# Altium PCB mantarray_beta2_sensor_arrayed.PcbDoc (part 1 of 14) (continued)
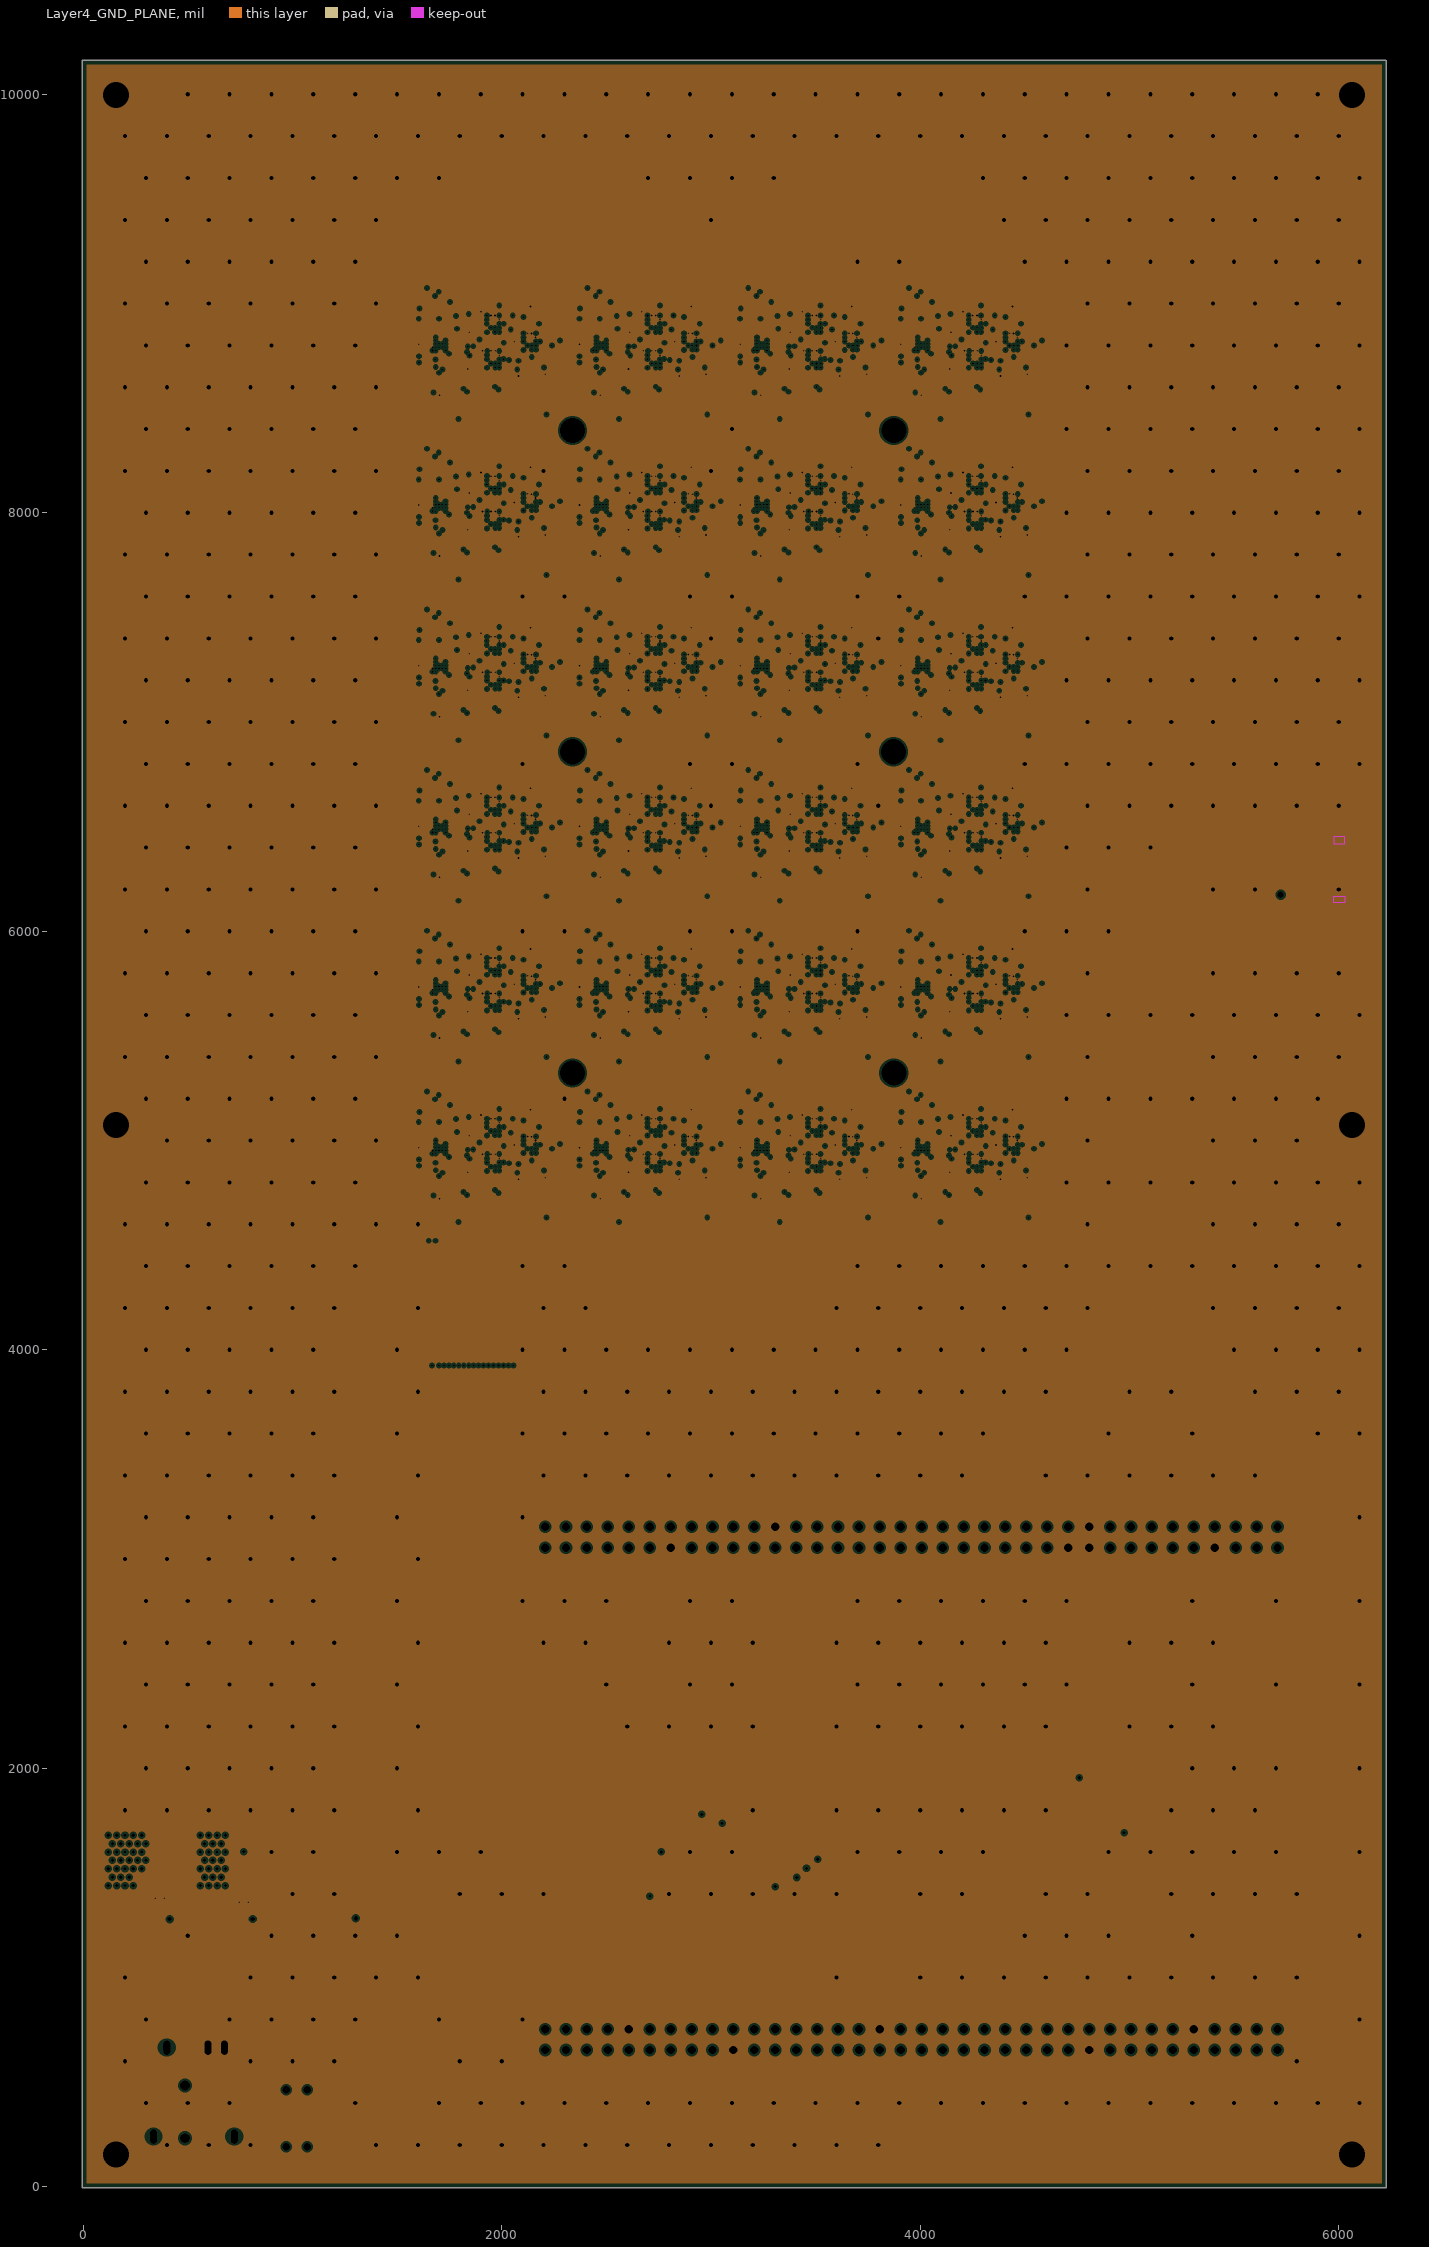
[diagram p4: Layer4_GND_PLANE, clearances drawn from the general rule]
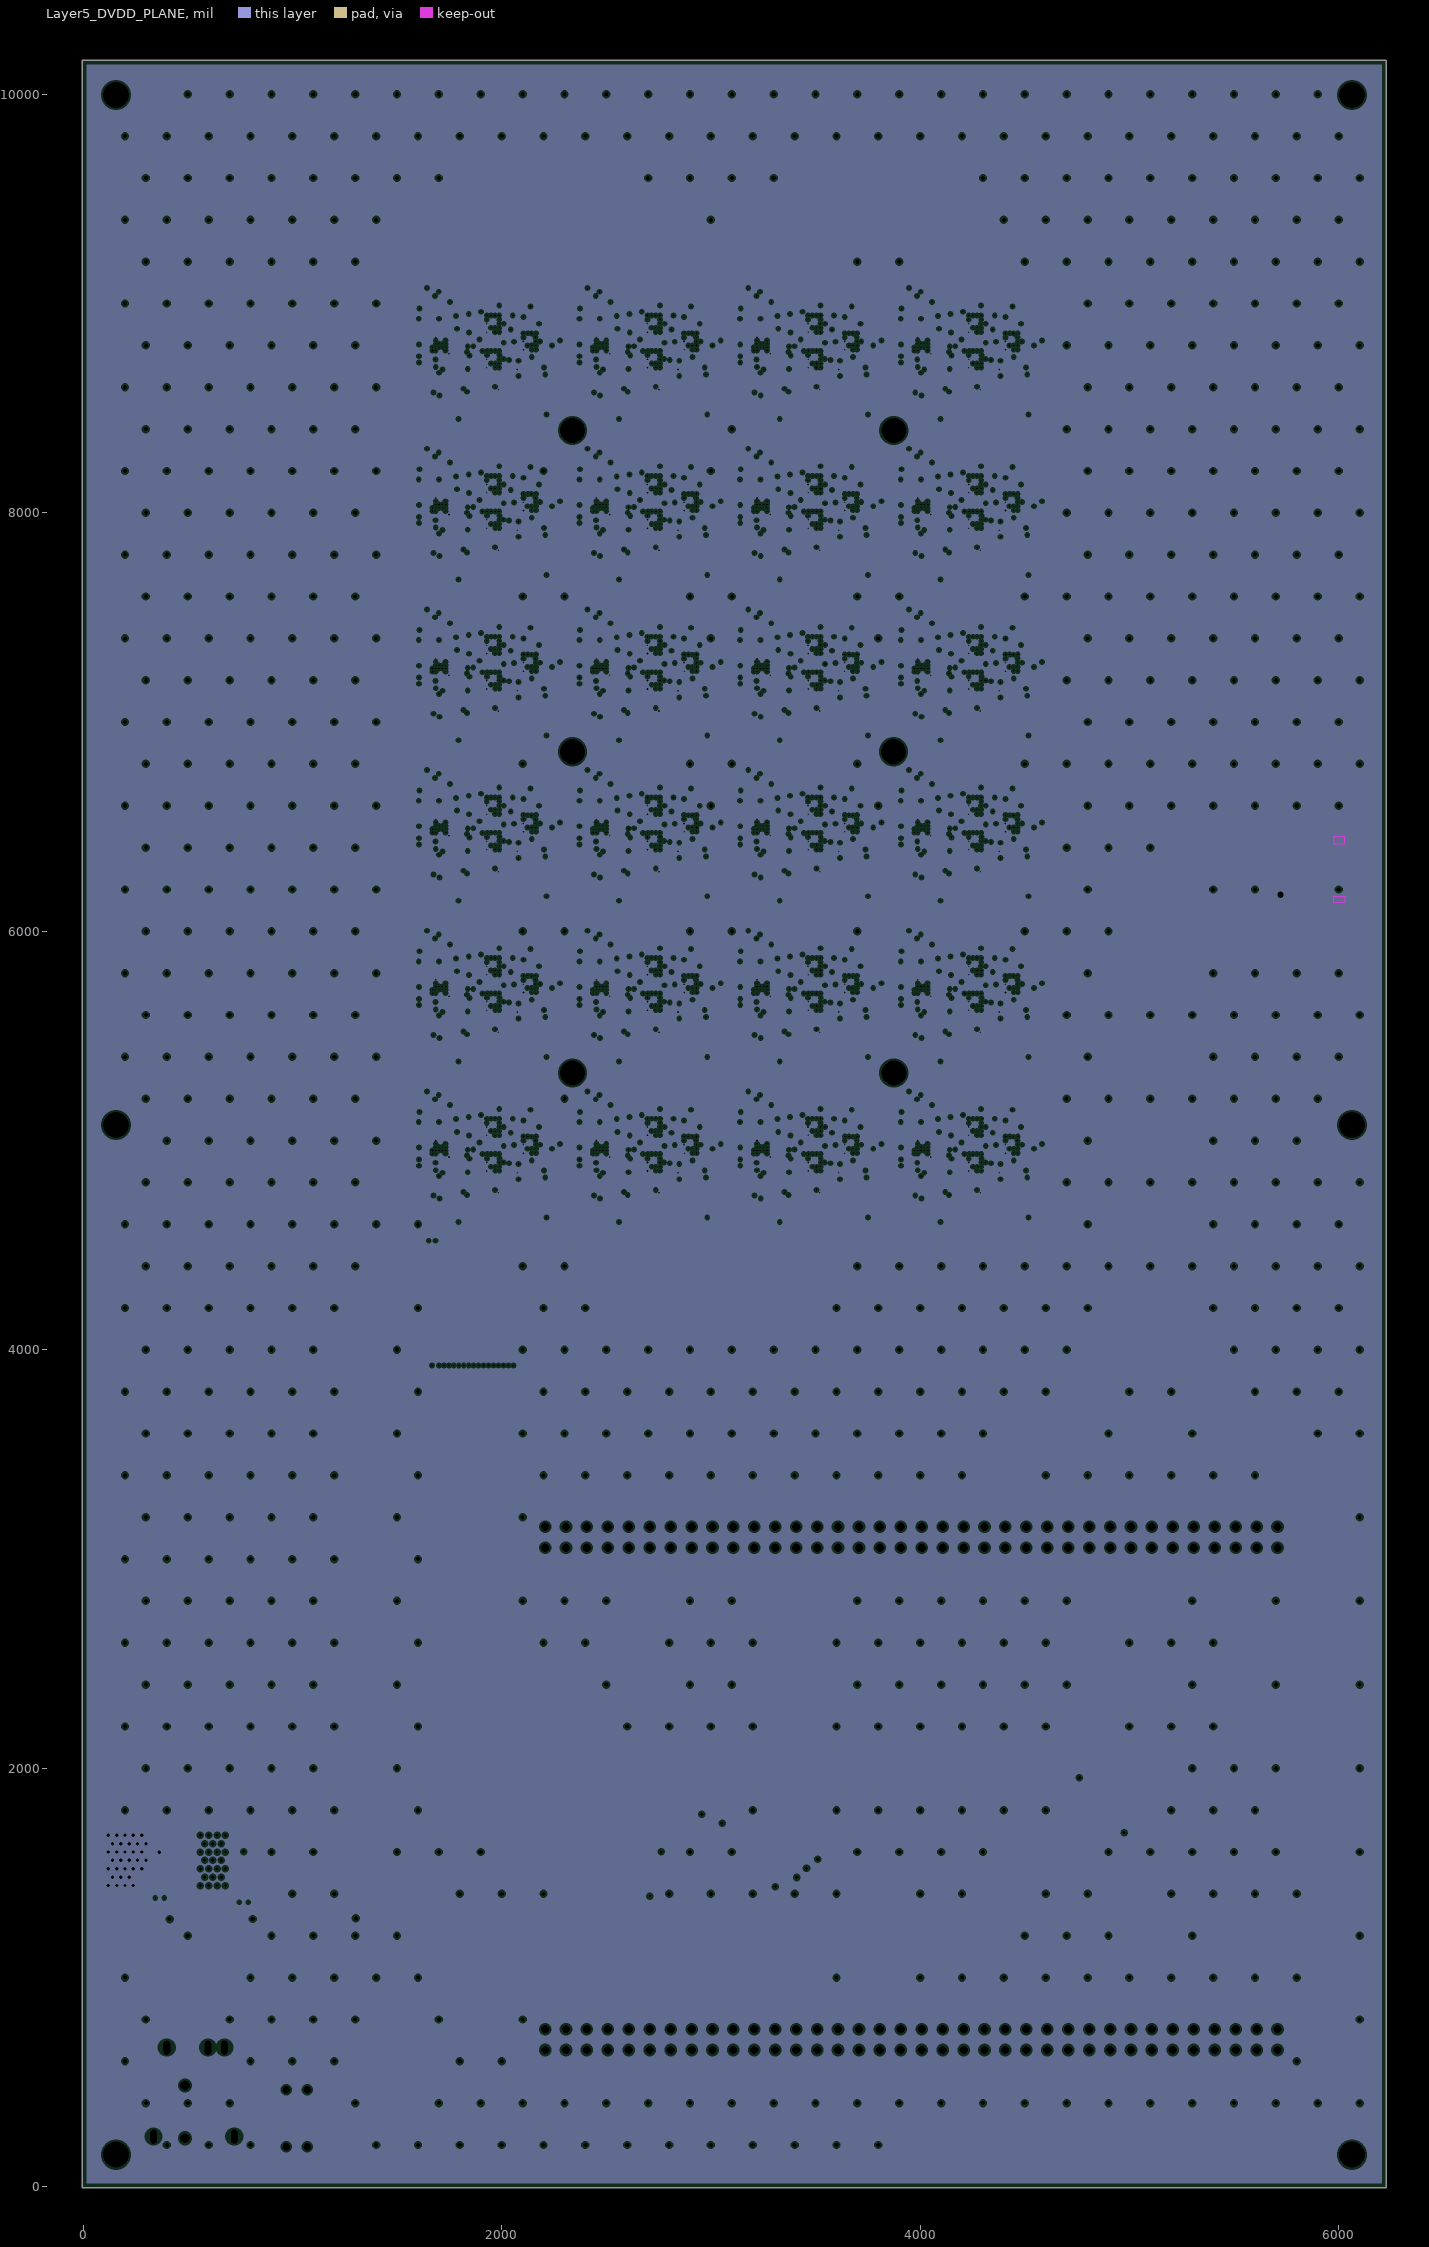
[diagram p5: Layer5_DVDD_PLANE, clearances drawn from the general rule]
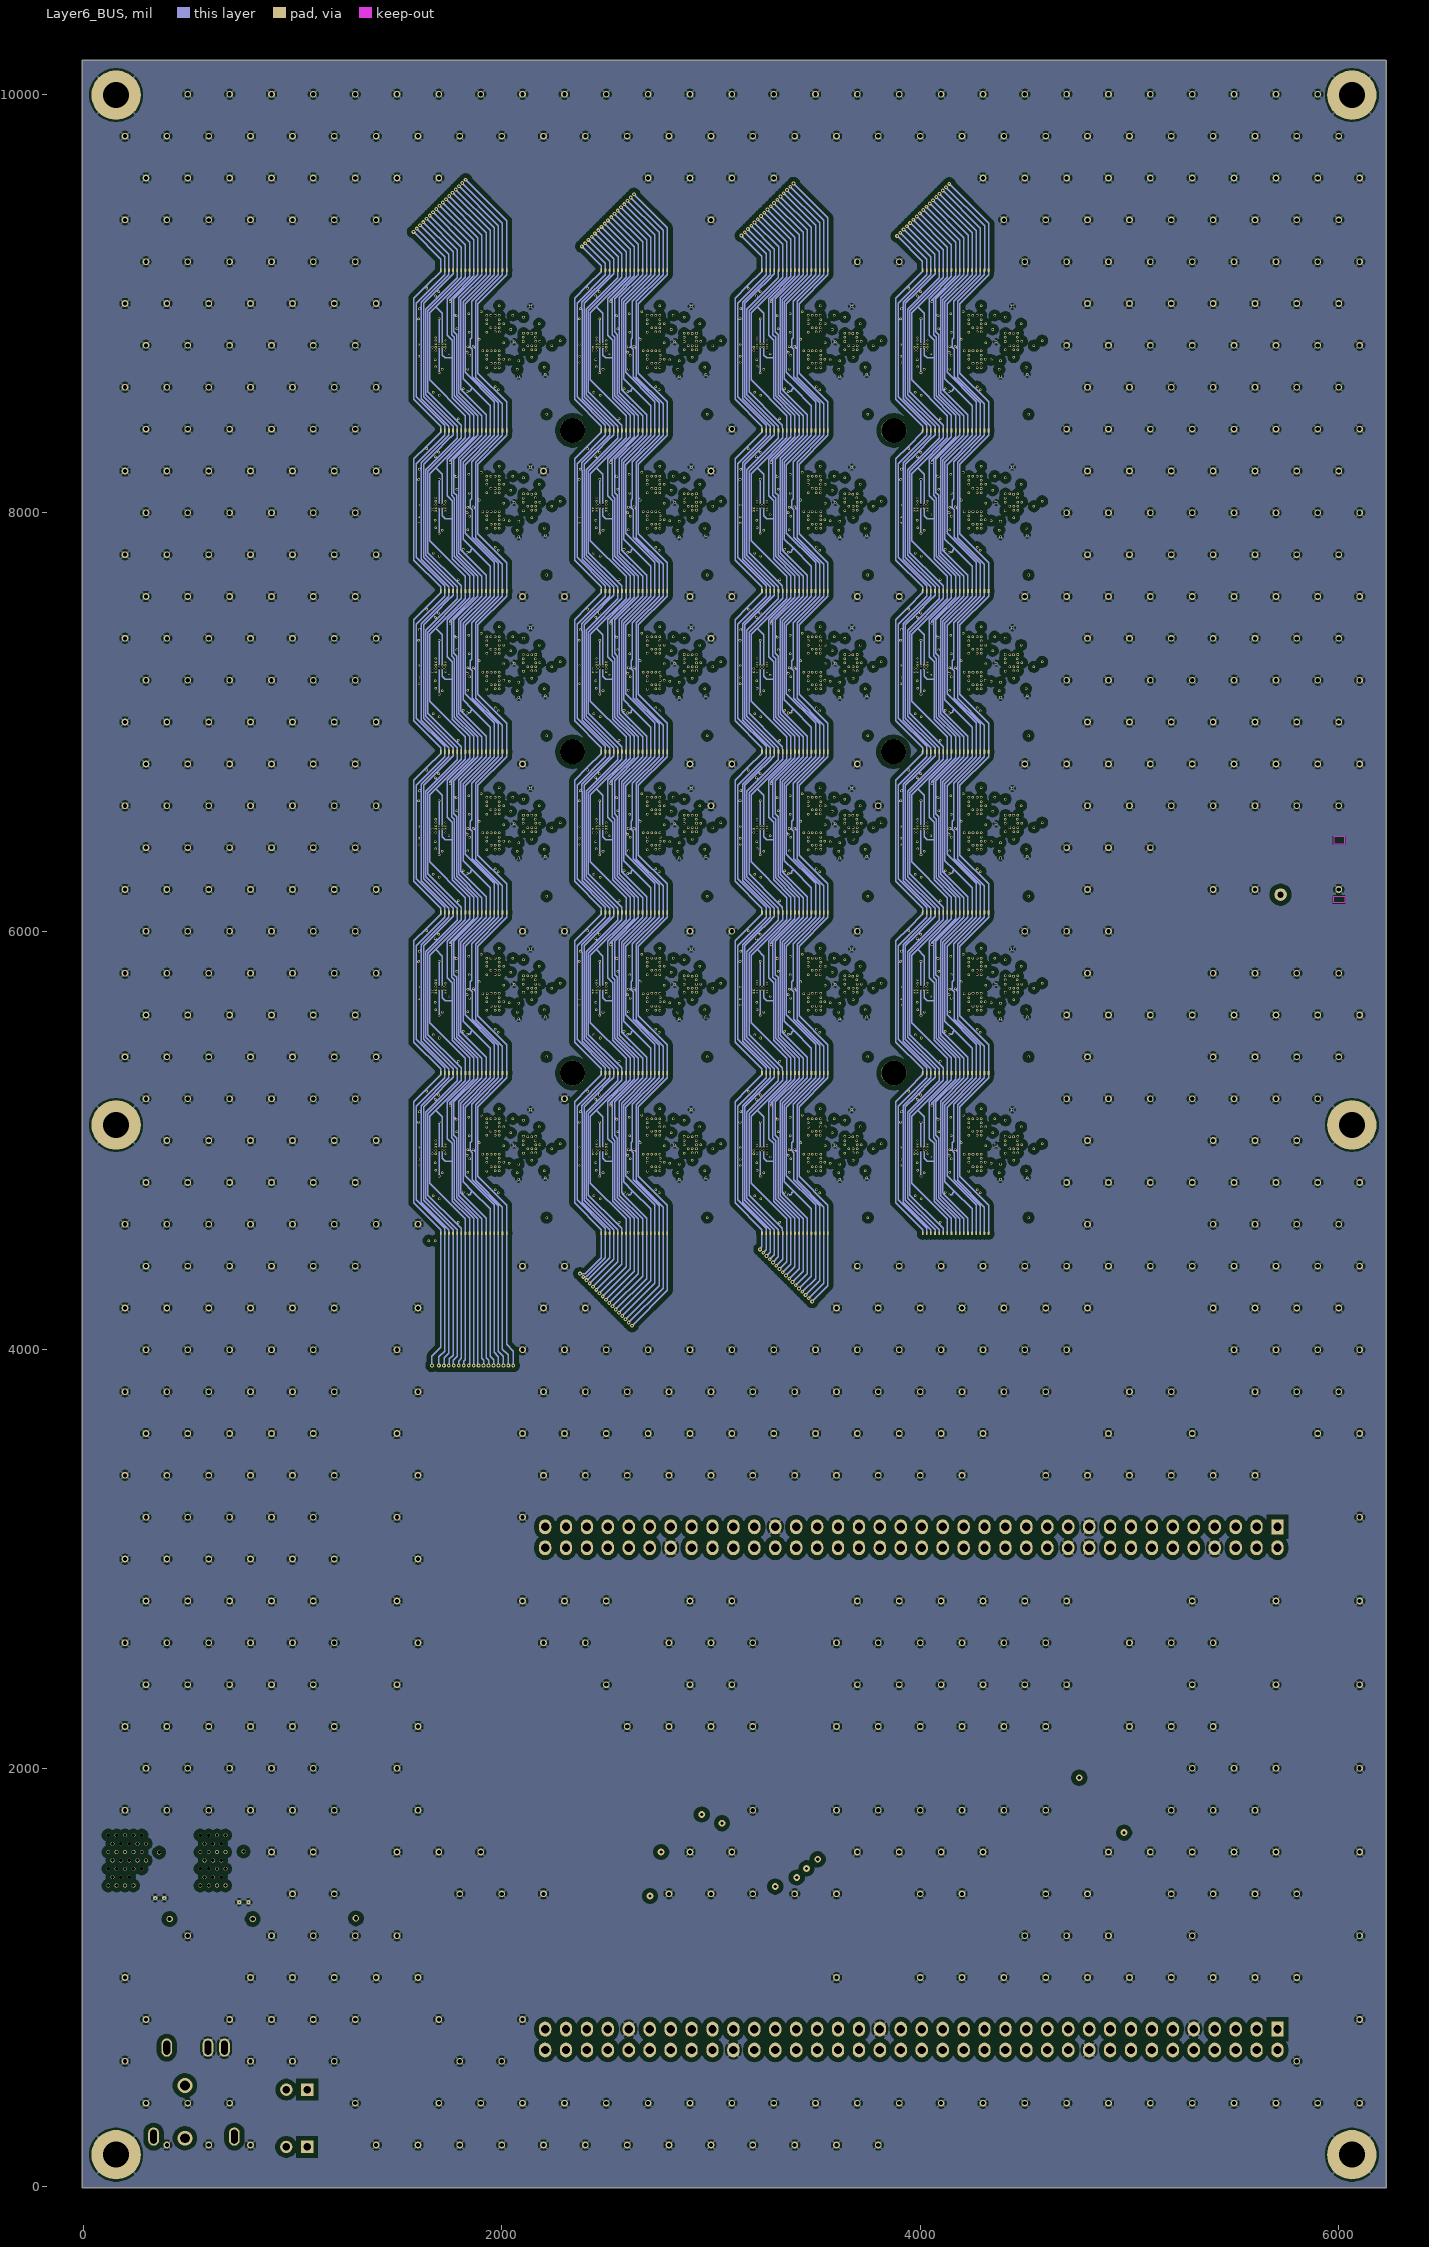
[diagram p6: Layer6_BUS]
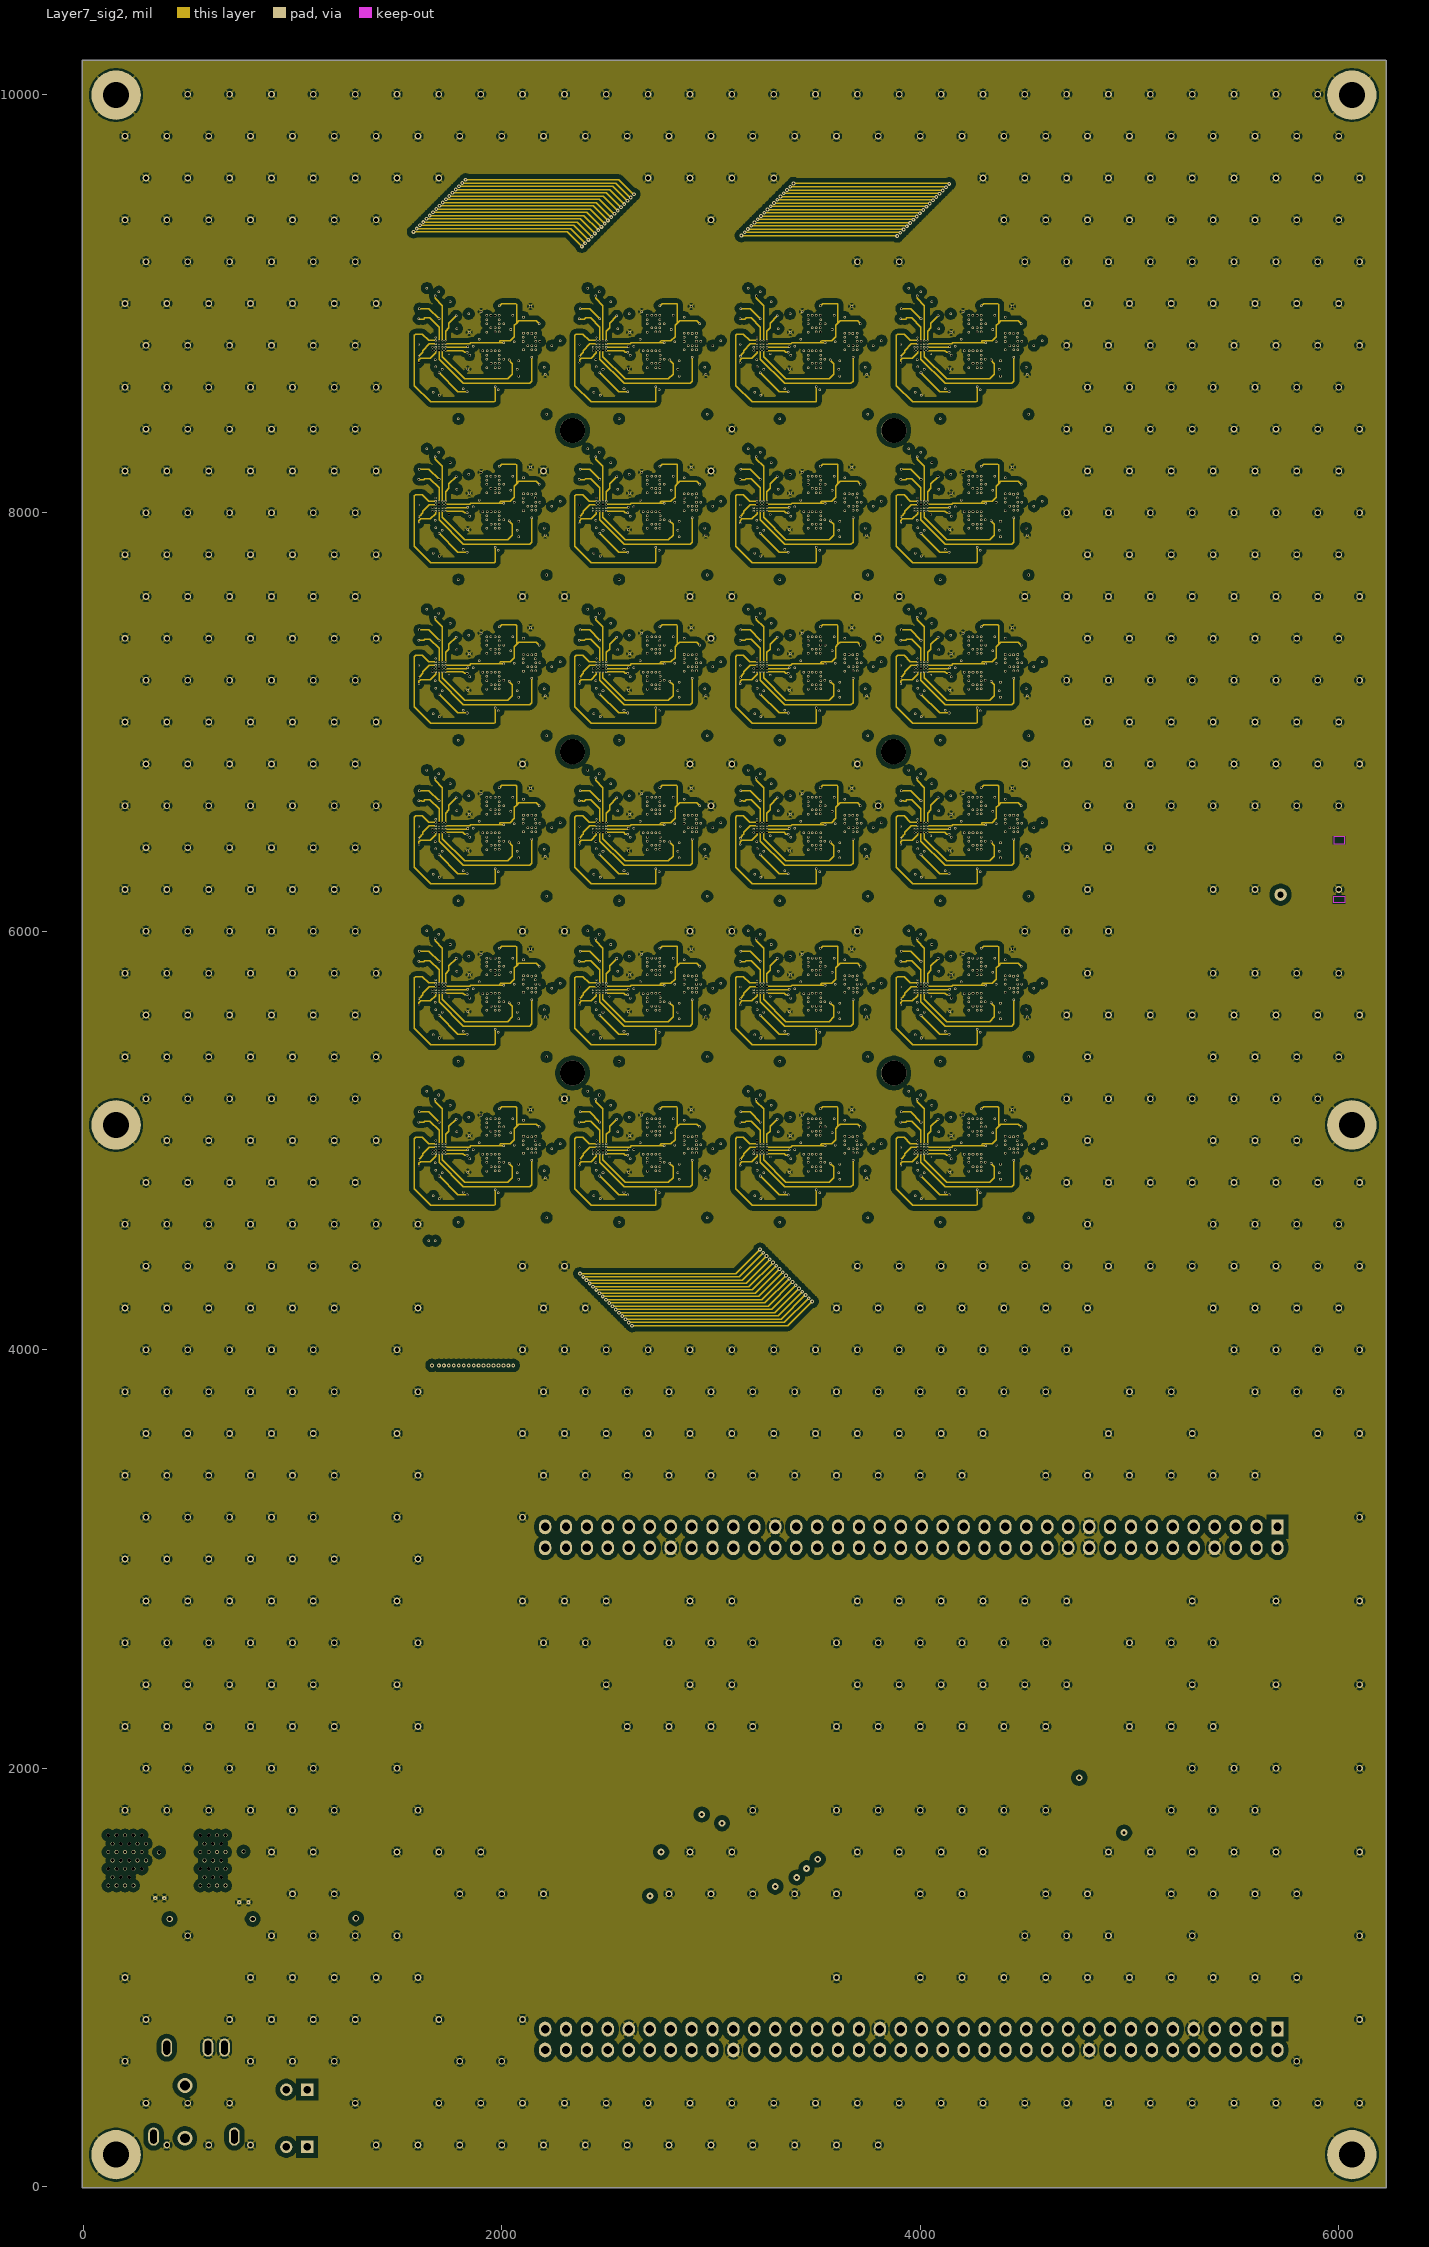
[diagram p7: Layer7_sig2]

## Layer stack, top to bottom
Top Solder: solder mask 0.4, Solder Resist, Dk 3.5
Layer1_Top: signal copper 1.378
Dielectric 3: prepreg 2.8, PP-006, Dk 4.1
Layer2_sig1: signal copper 1.378
Dielectric 1: dielectric 12.6, FR-4, Dk 4.1
Layer3_AVDD_PLANE: plane copper 1.378, net AVDD
Dielectric2: dielectric 12.6, FR-4, Dk 4.1
Layer4_GND_PLANE: plane copper 1.378, net GND
Dielectric 4: prepreg 2.8, PP-006, Dk 4.1
Layer5_DVDD_PLANE: plane copper 1.378, net AVDD_DVDD
Dielectric 5: prepreg 2.8, PP-006, Dk 4.1
Layer6_BUS: signal copper 1.378
Dielectric 6: prepreg 2.8, PP-006, Dk 4.1
Layer7_sig2: signal copper 1.378
Dielectric 2: prepreg 2.8, PP-006, Dk 4.1
Layer8_BOT: signal copper 1.378
Bottom Solder: solder mask 0.4, Solder Resist, Dk 3.5

## Board outline
-5.02,5078.71 -5.02,5078.77 -5.02,10157.48 cw(c0,10157.48) 0,10162.5 6222.44,10162.5 cw(c6222.44,10157.48) 6227.46,10157.48 6227.46,0 cw(c6222.44,0) 6222.44,-5.01 0,-5.01 cw(c0,0) -5.01,0

## Design rules (kind name [scope] priority, off if disabled: settings)
Clearance [All] p1: gap=4 ignorepadtopadclearanceinfootprint=FALSE except(22: Arc-Poly Track-Poly SMDPad-Poly THPad-Poly Via-Poly Fill-Poly Poly-Poly)
DiffPairsRouting [All] p1: maxlimit=50 minlimit=5 mostfreqgap=5 toplayer_minwidth=5 toplayer_maxwidth=10 toplayer_prefwidth=5 midlayer3_minwidth=5 midlayer3_maxwidth=10 midlayer3_prefwidth=5 midlayer4_minwidth=5 midlayer4_maxwidth=10 midlayer4_prefwidth=5 midlayer5_minwidth=5 midlayer5_maxwidth=10 midlayer5_prefwidth=5 bottomlayer_minwidth=5 bottomlayer_maxwidth=10 bottomlayer_prefwidth=5 maxuncoupledlength=1000
HoleSize [All] p1: absolutevalues=TRUE maxlimit=200 minlimit=5 maxpercent=80.000 minpercent=20.000
HoleToHoleClearance [All] p1: gap=5 allowstackedmicrovias=TRUE
MinimumAnnularRing [All] p1: minimumring=2
MinimumSolderMaskSliver SoldermaskSliver_pad [InPadClass('All Pads') vs InPadClass('All Pads')] p1: minsoldermaskwidth=1
MinimumSolderMaskSliver [All] p2: minsoldermaskwidth=0.98
PlaneClearance [All] p1: clearance=10
PlaneConnect [All] p1: planeconnectstyle=Direct reliefexpansion=20 reliefentries=4 reliefconductorwidth=10 reliefairgap=10
PolygonConnect [All] p1: connectstyle=Relief reliefconductorwidth=10 reliefentries=4 polygonreliefangle="45 Angle" airgapwidth=10
RoomDefinition STM32H745 [InComponentClass('STM32H745')] p1: confinementstyle=ConfineIn formatcopy=TRUE lockcomponents=FALSE outline 7278.35,3303.15 1616.93,3303.15 1616.93,531.89 7278.35,531.89
RoomDefinition AVDD [InComponentClass('AVDD')] p2: confinementstyle=ConfineIn formatcopy=TRUE lockcomponents=FALSE outline 877.2,1177.17 877.2,1734.25 509.84,1734.25 509.84,1177.17
RoomDefinition mantarray_beta2_sensor [InComponentClass('mantarray_beta2_sensor')] p3: confinementstyle=ConfineIn formatcopy=TRUE lockcomponents=FALSE outline 299.61,-1.61 759.61,-1.61 759.61,778.39 299.61,778.39
RoomDefinition DVDD [InComponentClass('DVDD')] p4: confinementstyle=ConfineIn formatcopy=TRUE lockcomponents=FALSE outline 482.28,1173.23 482.28,1734.25 102.36,1734.25 102.36,1173.23
RoomDefinition CH12 [InComponentClass('CH12')] p5: confinementstyle=ConfineIn formatcopy=TRUE lockcomponents=FALSE outline 2341.04,8393.42 3108.76,8393.42 3108.76,9161.13 2341.04,9161.13
RoomDefinition CH2 [InComponentClass('CH2')] p6: confinementstyle=ConfineIn formatcopy=TRUE lockcomponents=FALSE outline 1573.33,5322.55 2341.04,5322.55 2341.04,6090.27 1573.33,6090.27
RoomDefinition CH7 [InComponentClass('CH7')] p7: confinementstyle=ConfineIn formatcopy=TRUE lockcomponents=FALSE outline 2341.04,4554.84 3108.76,4554.84 3108.76,5322.55 2341.04,5322.55
RoomDefinition CH1 [InComponentClass('CH1')] p8: confinementstyle=ConfineIn formatcopy=TRUE lockcomponents=FALSE outline 1573.33,4554.84 2341.04,4554.84 2341.04,5322.55 1573.33,5322.55
RoomDefinition CH14 [InComponentClass('CH14')] p9: confinementstyle=ConfineIn formatcopy=TRUE lockcomponents=FALSE outline 3108.76,5322.55 3876.48,5322.55 3876.48,6090.27 3108.76,6090.27
RoomDefinition CH20 [InComponentClass('CH20')] p10: confinementstyle=ConfineIn formatcopy=TRUE lockcomponents=FALSE outline 3876.48,5322.55 4644.19,5322.55 4644.19,6090.27 3876.48,6090.27
RoomDefinition CH3 [InComponentClass('CH3')] p11: confinementstyle=ConfineIn formatcopy=TRUE lockcomponents=FALSE outline 1573.33,6090.27 2341.04,6090.27 2341.04,6857.98 1573.33,6857.98
RoomDefinition CH24 [InComponentClass('CH24')] p12: confinementstyle=ConfineIn formatcopy=TRUE lockcomponents=FALSE outline 3876.48,8393.42 4644.19,8393.42 4644.19,9161.13 3876.48,9161.13
RoomDefinition CH18 [InComponentClass('CH18')] p13: confinementstyle=ConfineIn formatcopy=TRUE lockcomponents=FALSE outline 3108.76,8393.42 3876.48,8393.42 3876.48,9161.13 3108.76,9161.13
RoomDefinition CH6 [InComponentClass('CH6')] p14: confinementstyle=ConfineIn formatcopy=TRUE lockcomponents=FALSE outline 1573.33,8393.42 2341.04,8393.42 2341.04,9161.13 1573.33,9161.13
RoomDefinition CH23 [InComponentClass('CH23')] p15: confinementstyle=ConfineIn formatcopy=TRUE lockcomponents=FALSE outline 3876.48,7625.7 4644.19,7625.7 4644.19,8393.42 3876.48,8393.42
RoomDefinition CH17 [InComponentClass('CH17')] p16: confinementstyle=ConfineIn formatcopy=TRUE lockcomponents=FALSE outline 3108.76,7625.7 3876.48,7625.7 3876.48,8393.42 3108.76,8393.42
RoomDefinition CH11 [InComponentClass('CH11')] p17: confinementstyle=ConfineIn formatcopy=TRUE lockcomponents=FALSE outline 2341.04,7625.7 3108.76,7625.7 3108.76,8393.42 2341.04,8393.42
RoomDefinition CH5 [InComponentClass('CH5')] p18: confinementstyle=ConfineIn formatcopy=TRUE lockcomponents=FALSE outline 1573.33,7625.7 2341.04,7625.7 2341.04,8393.42 1573.33,8393.42
RoomDefinition CH22 [InComponentClass('CH22')] p19: confinementstyle=ConfineIn formatcopy=TRUE lockcomponents=FALSE outline 3876.48,6857.98 4644.19,6857.98 4644.19,7625.7 3876.48,7625.7
RoomDefinition CH16 [InComponentClass('CH16')] p20: confinementstyle=ConfineIn formatcopy=TRUE lockcomponents=FALSE outline 3108.76,6857.98 3876.48,6857.98 3876.48,7625.7 3108.76,7625.7
RoomDefinition CH10 [InComponentClass('CH10')] p21: confinementstyle=ConfineIn formatcopy=TRUE lockcomponents=FALSE outline 2341.04,6857.98 3108.76,6857.98 3108.76,7625.7 2341.04,7625.7
RoomDefinition CH4 [InComponentClass('CH4')] p22: confinementstyle=ConfineIn formatcopy=TRUE lockcomponents=FALSE outline 1573.33,6857.98 2341.04,6857.98 2341.04,7625.7 1573.33,7625.7
RoomDefinition CH21 [InComponentClass('CH21')] p23: confinementstyle=ConfineIn formatcopy=TRUE lockcomponents=FALSE outline 3876.48,6090.27 4644.19,6090.27 4644.19,6857.98 3876.48,6857.98
RoomDefinition CH15 [InComponentClass('CH15')] p24: confinementstyle=ConfineIn formatcopy=TRUE lockcomponents=FALSE outline 3108.76,6090.27 3876.48,6090.27 3876.48,6857.98 3108.76,6857.98
RoomDefinition CH9 [InComponentClass('CH9')] p25: confinementstyle=ConfineIn formatcopy=TRUE lockcomponents=FALSE outline 2341.04,6090.27 3108.76,6090.27 3108.76,6857.98 2341.04,6857.98
RoomDefinition CH8 [InComponentClass('CH8')] p26: confinementstyle=ConfineIn formatcopy=TRUE lockcomponents=FALSE outline 2341.04,5322.55 3108.76,5322.55 3108.76,6090.27 2341.04,6090.27
RoomDefinition CH19 [InComponentClass('CH19')] p27: confinementstyle=ConfineIn formatcopy=TRUE lockcomponents=FALSE outline 3876.48,4554.84 4644.19,4554.84 4644.19,5322.55 3876.48,5322.55
RoomDefinition CH13 [InComponentClass('CH13')] p28: confinementstyle=ConfineIn formatcopy=TRUE lockcomponents=FALSE outline 3108.76,4554.84 3876.48,4554.84 3876.48,5322.55 3108.76,5322.55
RoutingVias PowerVias [InNetClass('POWER')] p1: holewidth=12 width=20 viastyle="Through Hole" minholewidth=5 minwidth=8 maxholewidth=50 maxwidth=80
RoutingVias [All] p2: holewidth=8 width=16 viastyle="Through Hole" minholewidth=5 minwidth=8 maxholewidth=50 maxwidth=80
SilkToSolderMaskClearance [IsPad] p1: minsilkscreentomaskgap=5 clearancetoexposedcopper=TRUE
SolderMaskExpansion [IsVia] p1: expansion=0 istentingtop=FALSE
Width [All] p1: maxlimit=80 minlimit=3 preferedwidth=6
Width "Power width" [InNetClass('POWER')] p2: maxlimit=100 minlimit=8 preferedwidth=10
22 further rules are at their usual default settings.
